# KiCad board Ultrasonic Sound Steering - Control Rev. A.kicad_pcb (continued)
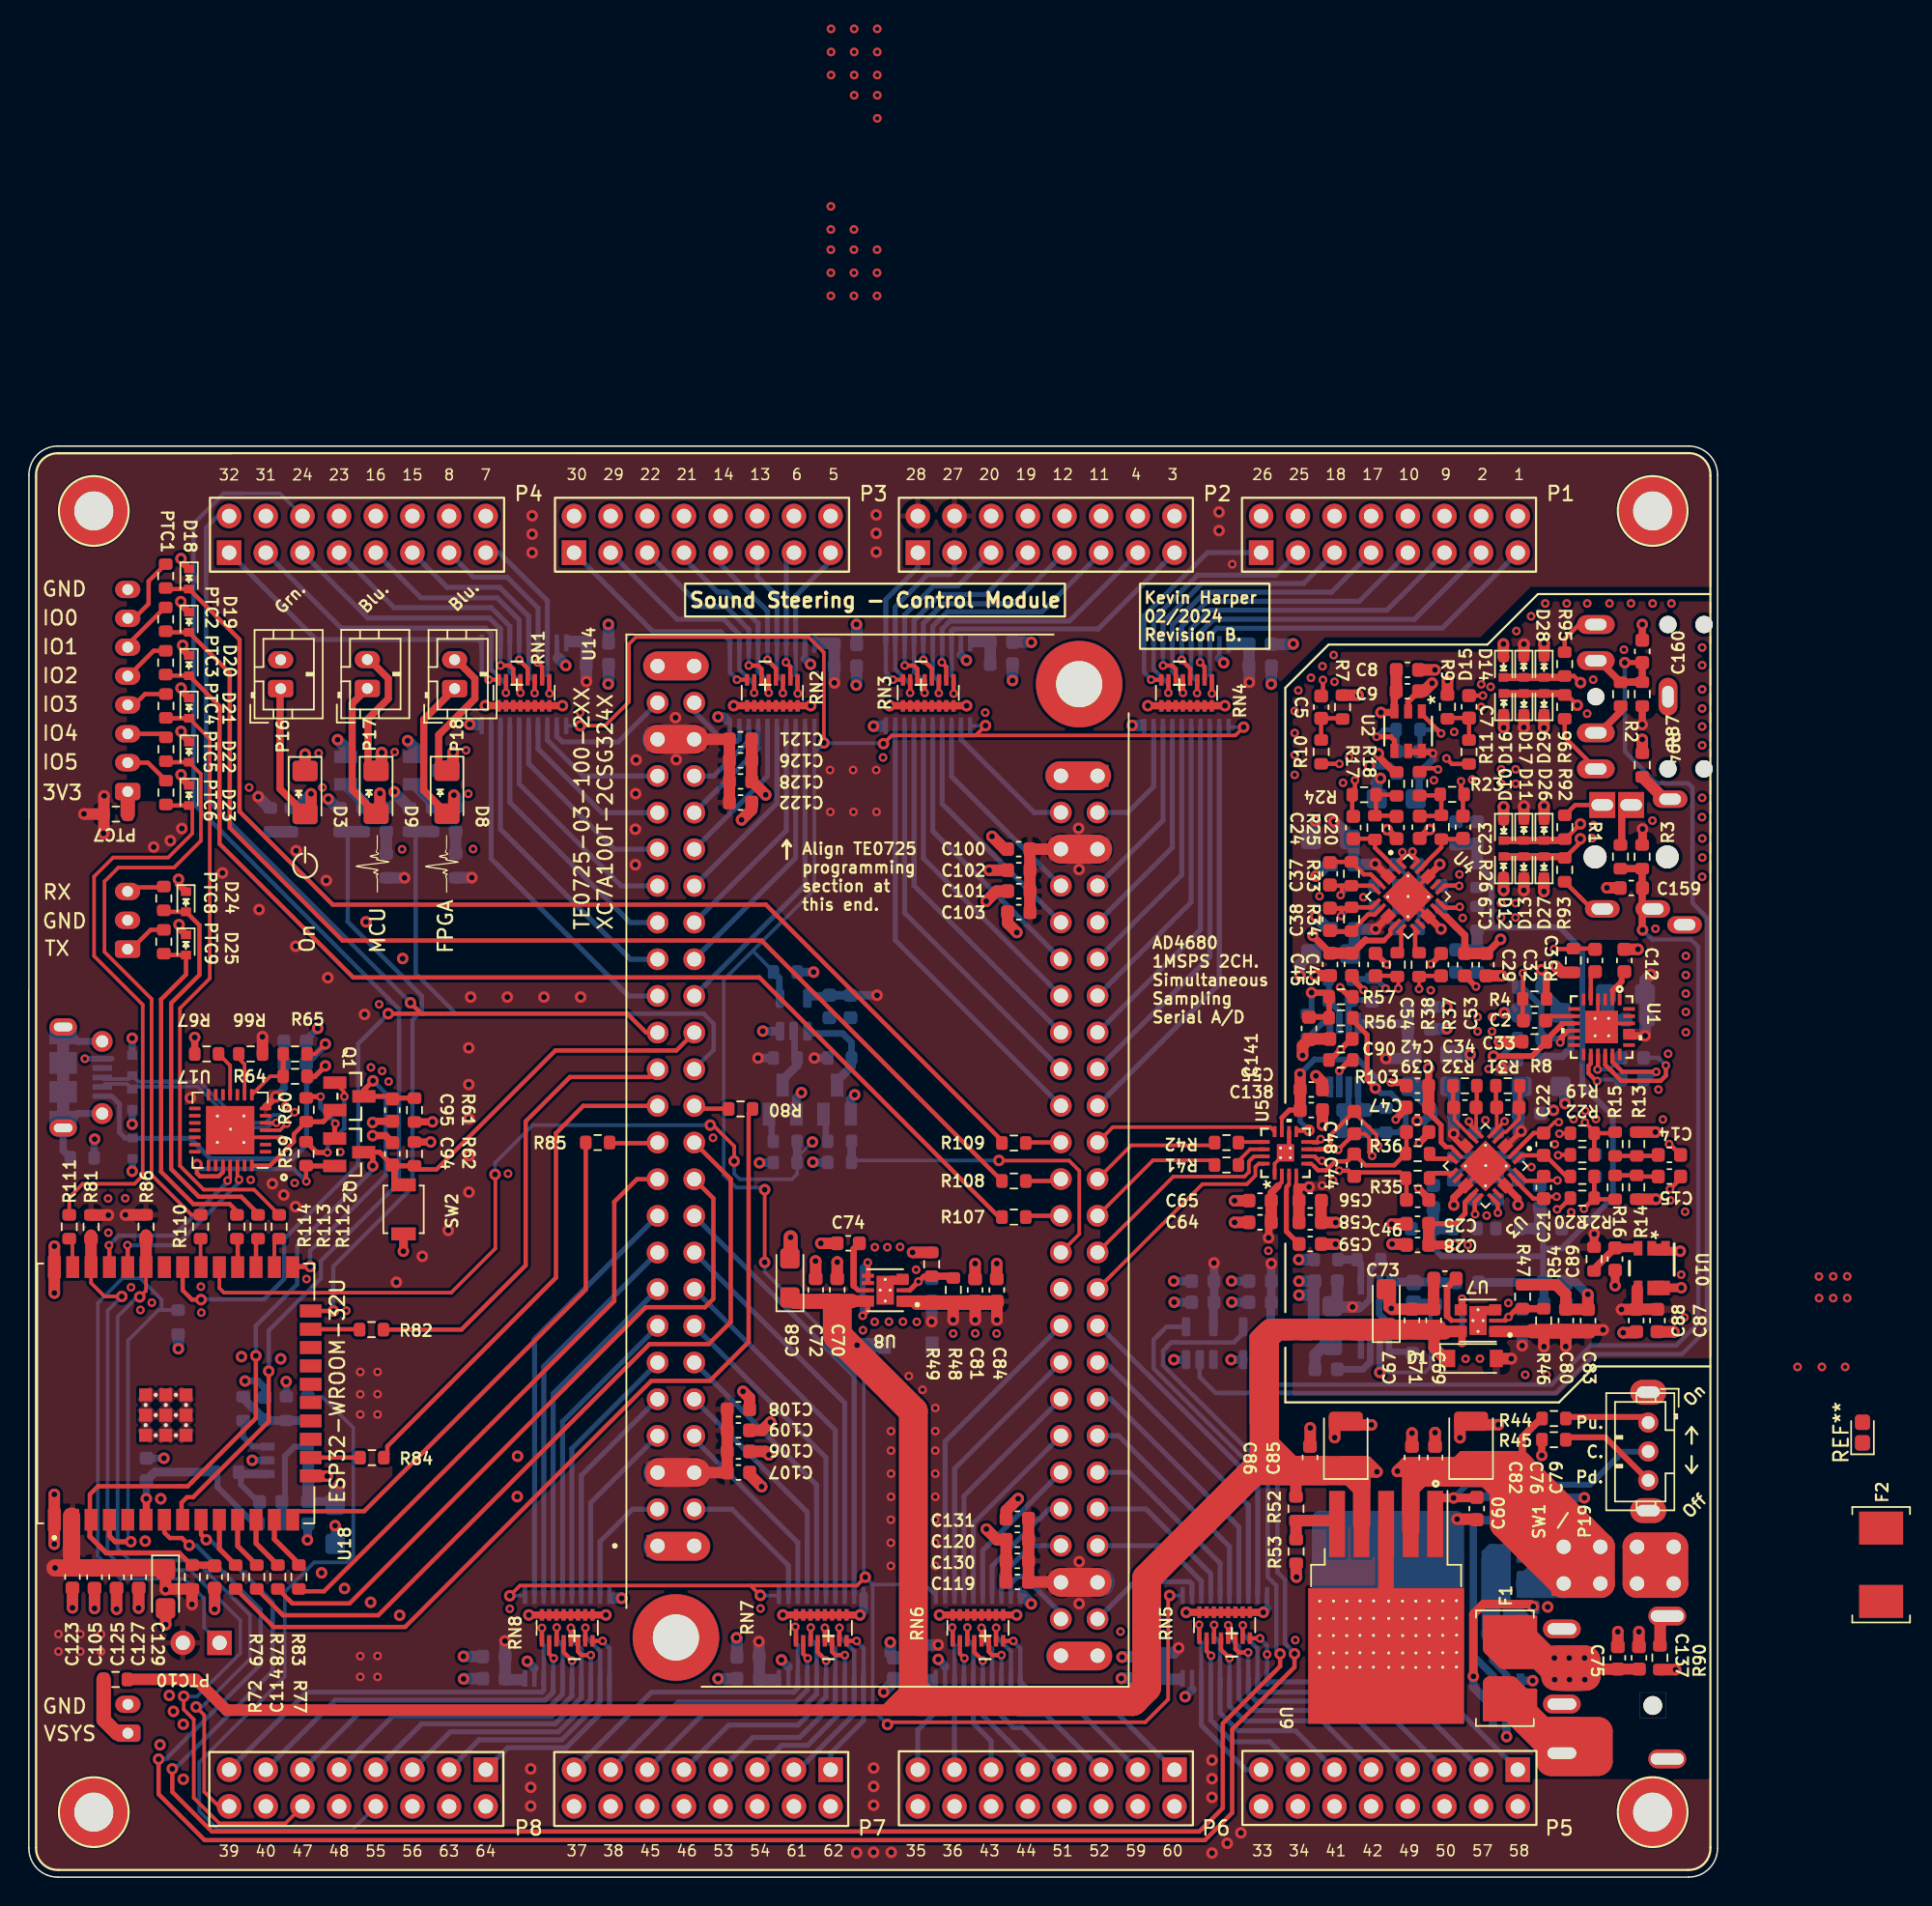
[diagram p0: board, top side]
## Routing (per net, layer and track width the routed paths; a pad name or vN(x,y) marks a point on that pad's centre or on a via; arc(x,y) is an arc through that point) (continued)
Net-(U12-Pad4): length 11.2
  Bottom w0.35: U14.41_2 77.4,25.5 81.88,21.02 U12.4
Net-(U12-Pad5): length 13.3
  Bottom w0.35: U12.5 82.53,21.75 76.24,28.04 U14.39_2
Net-(U12-Pad6): length 15.7
  Bottom w0.35: U14.37_2 75.5,30.58 83.18,22.9 U12.6
Net-(U12-Pad7): length 18.2
  Bottom w0.35: U14.35_2 74.96,33.12 83.83,24.25 U12.7
Net-(U12-Pad8): length 20.8
  Bottom w0.35: U12.8 84.48,25.77 74.59,35.66 U14.33_2
Net-(U12-Pad9): length 23.7
  Bottom w0.35: U12.9 85.13,27.22 74.15,38.2 U14.31_2 74.04,37.8
Net-(U13-Pad2): length 29.7
  Bottom w0.35: U14.19_2 82.47,61.88 U13.2
Net-(U13-Pad3): length 26.9
  Bottom w0.35: U13.3 81.82,63.77 U14.17_2
Net-(U13-Pad4): length 24.1
  Bottom w0.35: U14.15_2 81.17,65.66 U13.4
Net-(U13-Pad5): length 21.3
  Bottom w0.35: U14.13_2 80.52,67.55 U13.5
Net-(U13-Pad6): length 18.5
  Bottom w0.35: U14.11_2 79.87,69.44 U13.6
Net-(U13-Pad7): length 15.7
  Bottom w0.35: U14.9_2 79.22,71.33 U13.7
Net-(U13-Pad8): length 12.9
  Bottom w0.35: U13.8 78.57,73.22 U14.7_2
Net-(U13-Pad9): length 8.7
  Bottom w0.35: U14.3_2 76.13,73.76 77.92,75.56 U13.9
Net-(U14-Pad3_1): length 8.6
  Bottom w0.35: U21.9 39.57,23.25 41.82,25.49 U14.3_1
Net-(U14-Pad4_1): length 10.2
  Bottom w0.35: U19.2 52.62,21.58 48.71,25.49 U14.4_1
Net-(U14-Pad4_2): length 10
  Bottom w0.35: U14.4_2 69.65,73.76 64.57,78.84 U16.2
Net-(U14-Pad7_1): length 13
  Bottom w0.35: U21.8 38.92,25.94 U14.7_1
Net-(U14-Pad8_1): length 14
  Bottom w0.35: U14.8_1 46.1,30.35 53.27,23.18 U19.3
Net-(U14-Pad8_2): length 14.2
  Bottom w0.35: U16.3 63.92,76.26 U14.8_2
Net-(U14-Pad9_1): length 15.8
  Bottom w0.35: U14.9_1 38.27,27.83 U21.7
Net-(U14-Pad10_1): length 16.8
  Bottom w0.35: U19.4 53.92,25.29 U14.10_1
Net-(U14-Pad10_2): length 17
  Bottom w0.35: U14.10_2 63.27,74.37 U16.4
Net-(U14-Pad11_1): length 18.6
  Bottom w0.35: U21.6 37.62,29.7 43.56,35.63 U14.11_1
Net-(U14-Pad12_1): length 19.7
  Bottom w0.35: U19.5 54.57,27.18 U14.12_1
Net-(U14-Pad12_2): length 19.8
  Bottom w0.35: U14.12_2 62.62,72.48 U16.5
Net-(U14-Pad13_1): length 21.4
  Bottom w0.35: U14.13_1 43.56,38.14 36.97,31.56 U21.5
Net-(U14-Pad14_1): length 22.5
  Bottom w0.35: U14.14_1 55.22,29.07 U19.6
Net-(U14-Pad14_2): length 22.7
  Bottom w0.35: U14.14_2 61.97,70.59 U16.6
Net-(U14-Pad15_1): length 24.2
  Bottom w0.35: U21.4 36.32,33.5 U14.15_1
Net-(U14-Pad16_1): length 25.3
  Bottom w0.35: U14.16_1 55.87,30.96 U19.7
Net-(U14-Pad16_2): length 25.5
  Bottom w0.35: U14.16_2 61.32,68.7 U16.7
Net-(U14-Pad17_1): length 27
  Bottom w0.35: U21.3 35.67,35.39 U14.17_1
Net-(U14-Pad18_1): length 28.1
  Bottom w0.35: U14.18_1 56.52,32.85 U19.8
Net-(U14-Pad18_2): length 28.3
  Bottom w0.35: U14.18_2 60.67,66.81 U16.8
Net-(U14-Pad19_1): length 29.8
  Bottom w0.35: U21.2 35.02,37.28 U14.19_1
Net-(U14-Pad20_1): length 30.9
  Bottom w0.35: U19.9 57.17,34.74 U14.20_1
Net-(U14-Pad20_2): length 31.1
  Bottom w0.35: U14.20_2 60.02,64.92 U16.9
Net-(U14-Pad31_1): length 24.7
  Bottom w0.35: U22.9 32.02,70.57 41.54,61.05 U14.31_1
Net-(U14-Pad32_1): length 21.8
  Bottom w0.35: U20.2 53.77,68.73 U14.32_1
Net-(U14-Pad32_2): length 22.3
  Bottom w0.35: U15.2 63.48,30.19 U14.32_2 71.5,37.94
Net-(U14-Pad33_1): length 21.8
  Bottom w0.35: U14.33_1 41.68,63.59 32.67,72.6 U22.8
Net-(U14-Pad34_1): length 19
  Bottom w0.35: U20.3 53.12,70.62 U14.34_1
Net-(U14-Pad34_2): length 19.2
  Bottom w0.35: U14.34_2 64.13,28.3 U15.3
Net-(U14-Pad35_1): length 19
  Bottom w0.35: U22.7 33.32,74.47 41.66,66.13 U14.35_1
Net-(U14-Pad36_1): length 16.2
  Bottom w0.35: U14.36_1 52.47,72.51 U20.4
Net-(U14-Pad36_2): length 16.4
  Bottom w0.35: U14.36_2 64.78,26.41 U15.4
Net-(U14-Pad37_1): length 16.5
  Bottom w0.35: U14.37_1 41.04,68.67 33.97,75.74 U22.6
Net-(U14-Pad38_1): length 13.4
  Bottom w0.35: U14.38_1 51.82,74.4 U20.5
Net-(U14-Pad38_2): length 13.6
  Bottom w0.35: U14.38_2 65.43,24.52 U15.5
Net-(U14-Pad39_1): length 14
  Bottom w0.35: U22.5 34.62,77.14 40.55,71.21 U14.39_1
Net-(U14-Pad40_1): length 10.6
  Bottom w0.35: U14.40_1 51.17,76.29 U20.6
Net-(U14-Pad40_2): length 10.8
  Bottom w0.35: U14.40_2 66.08,22.63 U15.6
Net-(U14-Pad41_1): length 11.7
  Bottom w0.35: U14.41_1 39.69,73.75 35.27,78.17 U22.4
Net-(U14-Pad42_1): length 7.8
  Bottom w0.35: U14.42_1 50.52,78.18 U20.7
Net-(U14-Pad42_2): length 8.4
  Bottom w0.35: U14.42_2 70.69,25.5 66.73,21.55 U15.7
Net-(U14-Pad43_1): length 9.7
  Bottom w0.35: U22.3 35.92,78.78 38.41,76.29 U14.43_1
Net-(U14-Pad44_1): length 5.7
  Bottom w0.35: U20.8 49.87,78.71 47.46,76.29 U14.44_1
Net-(U14-Pad44_2): length 6.4
  Bottom w0.35: U15.8 67.38,20.91 69.44,22.96 U14.44_2
Net-(U14-Pad47_1): length 9
  Bottom w0.35: U14.47_1 40.84,78.65 36.96,78.65 36.57,79.05 U22.2
Net-(U14-Pad48_1): length 5.5
  Bottom w0.35: U20.9 49.22,78.84 49.1,78.71 48.14,78.71 46.1,80.75 U14.48_1
Net-(U14-Pad48_2): length 6
  Bottom w0.35: U14.48_2 71.5,18.28 68.95,20.83 68.52,20.83 68.03,20.35 U15.9

## Copper pours and planes (outline as drawn; the poured copper is in the pictures)
+3.3VA on Top, Bottom: 117.7,37.74 117.7,35.54 108.6,35.54 107.6,34.54 105.9,32.87 86.85,32.94 86.92,89.02 117.72,89.07
+3V3 on Top: -1.62,100.48 118.26,99.93 118.78,-1.38 -2.2,-1.63
+3V3 on Bottom: -1.65,100.46 118.4,100.08 118.94,-1.36 -2.2,-1.49
GND on Top: 11.46,29.96 7.36,29.96 7.35,34.07 11.45,34.06
GND on In1.Cu, In2.Cu: -1.65,100.52 118.32,99.71 118.71,-1.37 -1.93,-1.4

## Text on the board
B.Fab: U22
B.Silkscreen: 32 | 39 | 31 | 40 | 24 | 47 | 23 | 48 | 16 | 55 | 15 | 56 | 8 | 63 | 7 | 64 | 30 | 37 | 29 | 38 | 22 | 45 | 21 | 46 | 14 | 53 | 13 | 54 | 6 | 61 | 5 | 62 | 28 | 35 | 27 | 36 | 20 | 43 | 19 | 44 | 12 | 51 | 11 | 52 | 4 | 59 | 3 | 60 | 26 | 33 | 25 | 34 | 18 | 41 | 17 | 42 | 10 | 49 | 9 | 50 | 2 | 57 | 1 | 58 | Off | On | Kevin Harper / 02/2024 / Revision B. | 5V, 25W Input / 2.5x5.5x9.5mm | Attach a 2.4GHz µ.FL / antenna >= 3dBi | Stereo In / 3.5mm TRS | Microphone In / 2.5mm TRRS | GND | IO0 | IO1 | IO2 | IO3 | IO4 | IO5 | 3V3 | IO | UART | ICSP | VSYS | RX | TX | * | Sound Steering - Control Module
Top: Kevin Harper / 02/2024 / Revision B. | Sound Steering - Control Module
F.Silkscreen: 39 | 32 | 40 | 31 | 47 | 24 | 48 | 23 | 55 | 16 | 56 | 15 | 63 | 8 | 64 | 7 | 37 | 30 | 38 | 29 | 45 | 22 | 46 | 21 | 53 | 14 | 54 | 13 | 61 | 6 | 62 | 5 | 35 | 28 | 36 | 27 | 43 | 20 | 44 | 19 | 51 | 12 | 52 | 11 | 59 | 4 | 60 | 3 | 33 | 26 | 34 | 25 | 41 | 18 | 42 | 17 | 49 | 10 | 50 | 9 | 57 | 2 | 58 | 1 | Align TE0725 / programming / section at / this end. | Kevin Harper / 02/2024 / Revision B. | AD4680 / 1MSPS 2CH. / Simultaneous / Sampling / Serial A/D | / | Pd. | Pu. | C. | Grn. | Blu. | On | Off | * | GND | IO0 | IO1 | IO2 | IO3 | IO4 | IO5 | 3V3 | RX | TX | VSYS | + / - | TE0725-03-100-2XX / XC7A100T-2CSG324X | ESP32-WROOM-32U | MCU | FPGA | Sound Steering - Control Module
